# Allegro board 8880F5-0823_9.brd (continued)
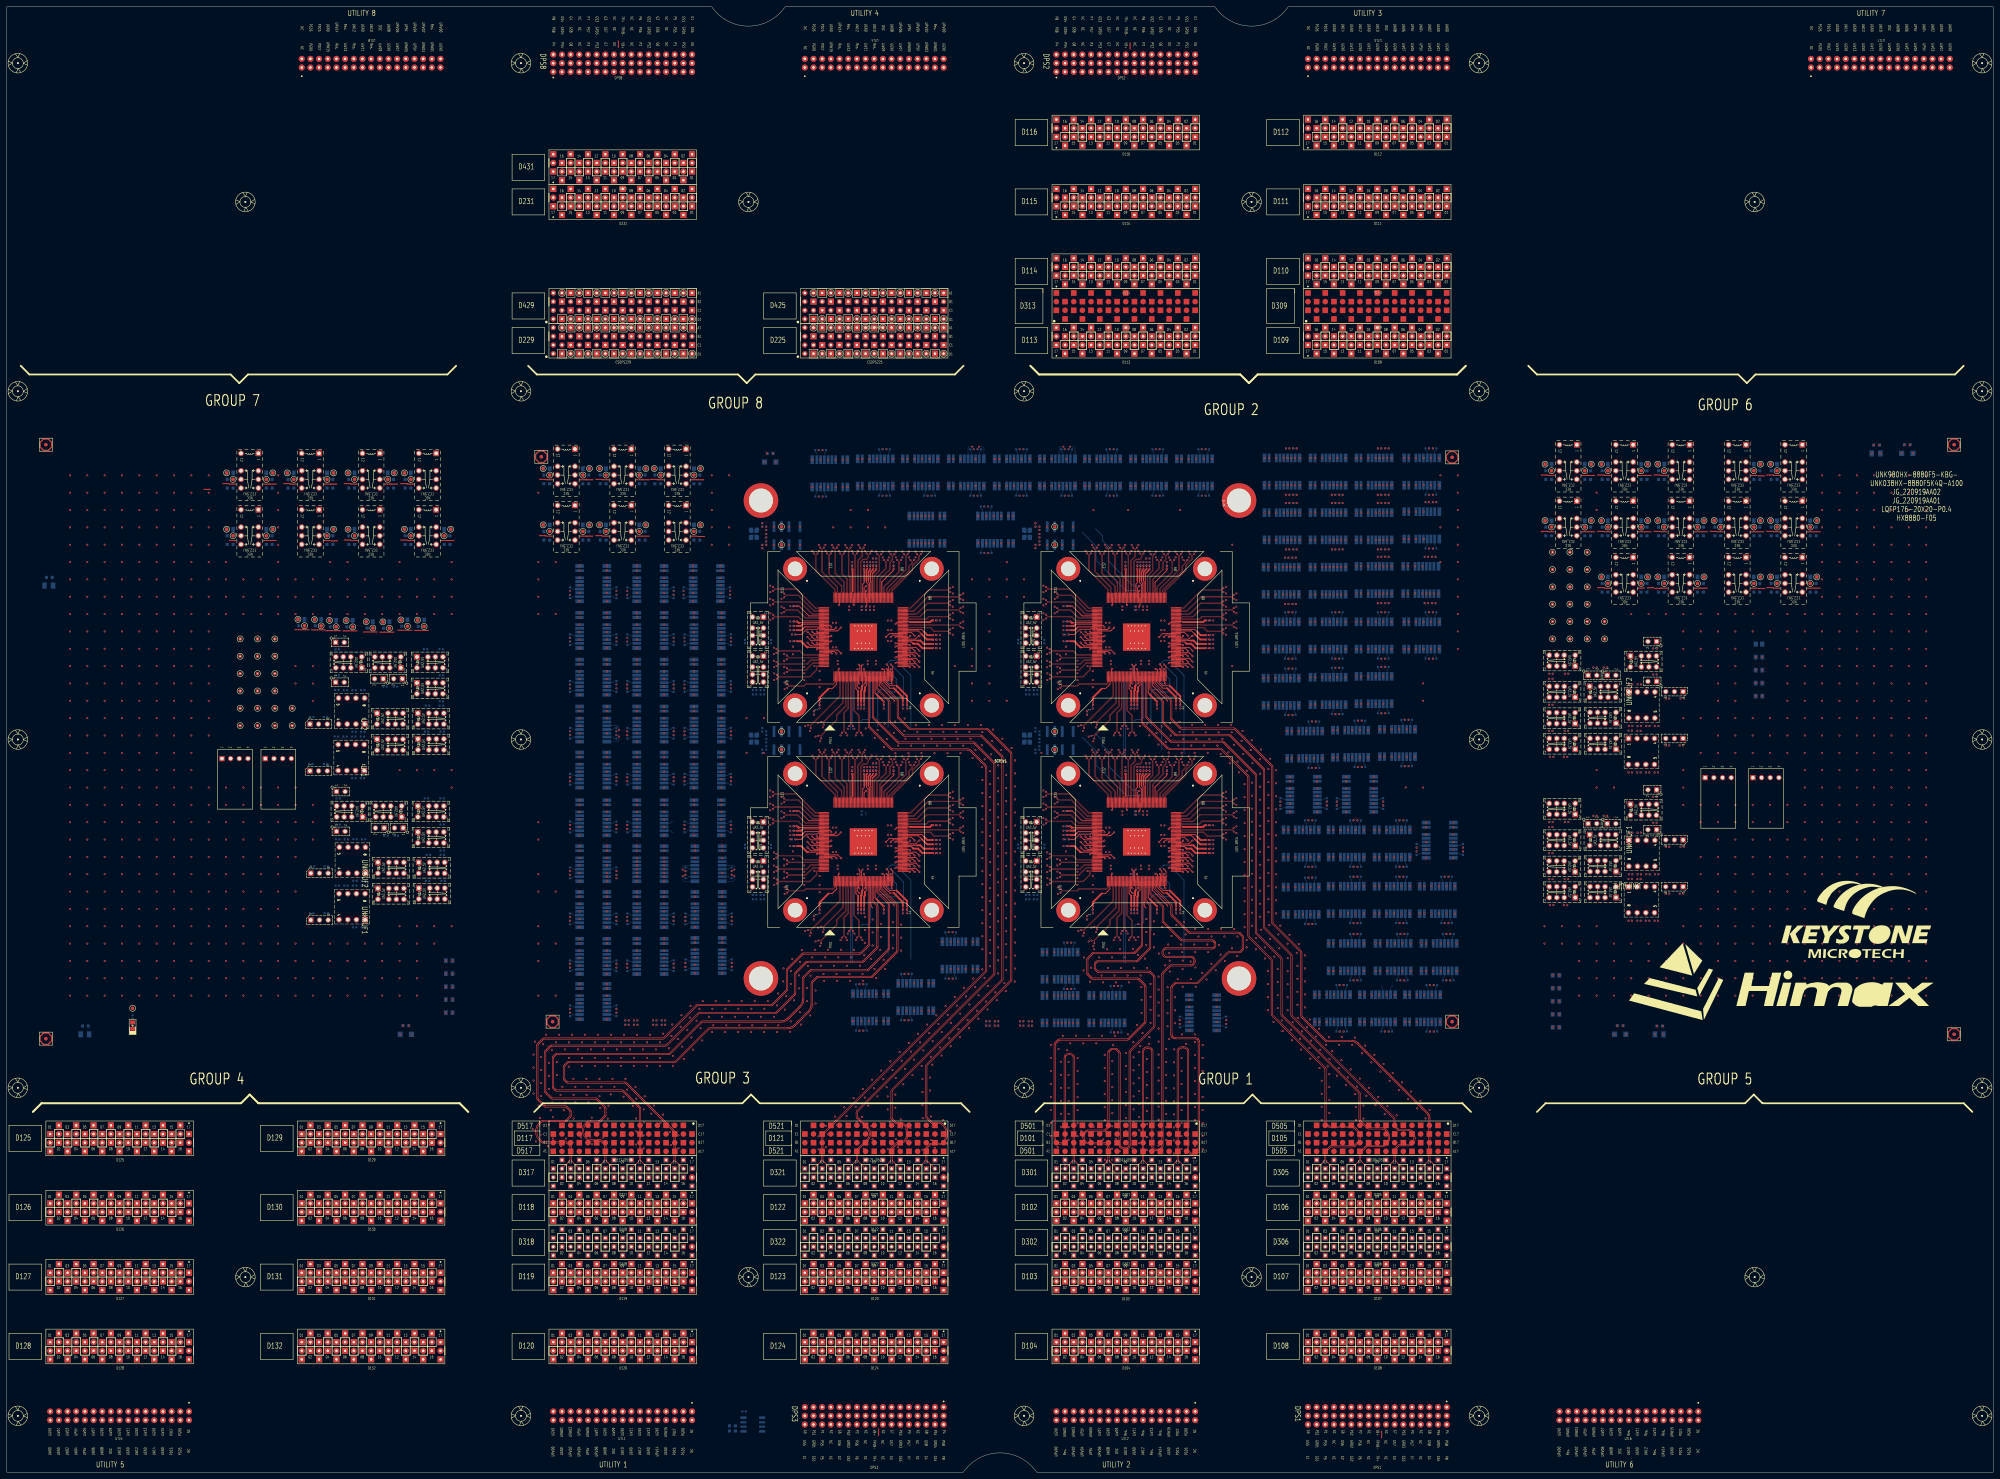
[diagram p0: board, top side]
## Routing (per net, layer and track width the routed paths; a pad name or vN(x,y) marks a point on that pad's centre or on a via; arc(x,y) is an arc through that point) (continued)
  L28_SIGNAL w0.071: v1(390.16,235.65) 389.69,235.18 389.69,233.97 388.21,232.49 388.21,219.12 388.81,218.52 391.12,218.52 392.27,219.66 392.27,221.1 395.58,224.41 404.27,224.41 407.15,221.52 407.15,206.24 408.71,204.68 418.95,204.68 422.83,208.57 422.83,233.64 426.21,237.02 444.82,237.02 448.37,233.47 448.37,206.58 444.39,202.6 401.84,202.6 400.84,201.61 379.9,201.61 376.79,204.72 376.79,214.1 375.04,215.85 342.11,215.85 341.05,216.91 337.89,216.91 334.95,219.86 327.93,219.86 327.33,219.25 327.33,219.02 v1(327.8,218.55)
D10910: length 413.5
  TOP w0.086: v1(308.51,229.79) 308.97,230.25 313.52,230.25 314.03,230.76 322.13,230.76 322.55,231.18 322.55,231.4 322.63,231.48 SITE2.2
  L03_SIGNAL w0.071: D109.10 396.75,328.17 396.75,323.17 428.31,291.6 428.31,264.18 430.22,262.28 432.66,262.28 434.14,263.76 434.14,282.24 437.37,285.47 441.52,285.47 444.19,282.8 444.19,227.73 440.32,223.87 427.26,223.87 423.54,227.59 423.54,239.25 419.54,243.25 399.38,243.25 397.48,241.35 397.48,224.06 396.3,222.88 396.3,220.63 v1(396.77,220.15)
  L28_SIGNAL w0.071: v1(396.77,220.15) 396.3,219.68 396.3,218.37 398.34,216.33 398.34,214.26 400.79,211.81 401.84,211.81 402.84,210.8 402.84,207.43 398.37,202.95 381.3,202.95 379.03,205.22 379.03,221.22 377.84,222.41 360.54,222.41 356.29,218.16 343.79,218.16 338.56,223.39 338.56,225.12 335.32,228.35 317.77,228.35 315.86,230.26 308.98,230.26 v1(308.51,229.79)
D10911: length 457
  TOP w0.086: SITE2.13 327.03,231.48 327.11,231.4 327.11,219 v1(326.65,218.55)
  L03_SIGNAL w0.071: D109.11 397.78,334.28 399.1,334.28 399.32,334.5 399.32,338.34 395.76,341.9 375.99,341.9 373.37,339.27 373.37,320.59 384.37,309.59 384.37,237.56 387.62,234.31 389.22,234.31 389.49,234.59 389.49,235.18 v1(389.02,235.65)
  L28_SIGNAL w0.071: v1(389.02,235.65) 389.49,235.18 389.49,234.05 388.01,232.57 388.01,219.03 388.73,218.32 391.2,218.32 392.46,219.58 392.46,221.01 395.66,224.21 404.18,224.21 406.95,221.44 406.95,206.16 408.62,204.49 419.03,204.49 423.03,208.49 423.03,233.56 426.29,236.82 444.74,236.82 448.17,233.38 448.17,206.66 444.31,202.8 401.75,202.8 400.76,201.8 379.99,201.8 376.99,204.8 376.99,214.18 375.12,216.05 342.2,216.05 341.14,217.11 337.98,217.11 335.03,220.06 327.85,220.06 327.13,219.33 327.13,219.02 v1(326.65,218.55)
D10912: length 413.5
  TOP w0.086: SITE2.1 322.23,231.48 322.31,231.4 322.31,231.28 322.03,231 313.93,231 313.42,230.49 308.95,230.49 v1(308.51,230.93)
  L03_SIGNAL w0.071: D109.12 395.01,328.89 395.67,328.89 396.55,328.01 396.55,323.08 428.12,291.52 428.12,264.1 430.13,262.08 432.74,262.08 434.34,263.68 434.34,282.16 437.46,285.27 441.43,285.27 443.99,282.72 443.99,227.82 440.24,224.07 427.34,224.07 423.74,227.67 423.74,239.33 419.62,243.45 399.3,243.45 397.28,241.43 397.28,224.14 396.1,222.96 396.1,220.63 v1(395.62,220.15)
  L28_SIGNAL w0.071: v1(395.62,220.15) 396.1,219.68 396.1,218.29 398.14,216.25 398.14,214.18 400.71,211.61 401.75,211.61 402.65,210.72 402.65,207.51 398.29,203.15 381.38,203.15 379.23,205.3 379.23,221.31 377.92,222.61 360.46,222.61 356.2,218.36 343.87,218.36 338.75,223.48 338.75,225.2 335.4,228.55 317.85,228.55 315.94,230.46 308.98,230.46 v1(308.51,230.93)
D10913: length 457
  TOP w0.086: SITE2.10 325.83,231.48 325.75,231.4 325.75,224.32 323.1,221.66 323.1,220.24 318.42,215.56 v1(318.42,214.92)
  L03_SIGNAL w0.071: D109.13 390.17,333.73 390.17,337.41 386.47,341.12 377.86,341.12 375.56,338.82 375.56,321.68 392.92,304.32 392.92,256.83 392.19,256.1 387.68,256.1 386.71,255.13 386.71,250.95 387.53,250.14 389.18,250.14 389.69,250.65 389.69,251.43 v1(390.16,251.9)
  L28_SIGNAL w0.071: v1(318.42,214.92) 317.75,214.92 316.86,214.03 307.22,214.03 296.75,224.5 296.75,236.72 295.8,237.67 294.73,237.67 294.08,237.02 294.08,223.8 293.48,223.21 290.74,223.21 289.94,224.01 289.94,263.01 289.12,263.83 287.11,263.83 286.35,263.08 286.35,224.01 285.62,223.27 284.2,223.27 283.53,223.94 283.53,263.75 287.74,267.97 299.65,267.97 310.89,256.72 348.37,256.72 356.03,249.06 357.88,249.06 359.24,250.42 364.11,250.42 366.91,247.62 382.5,247.62 386.39,251.51 386.39,252.87 387.55,254.02 389.11,254.02 389.69,253.44 389.69,252.38 v1(390.16,251.9)
D10914: length 457
  TOP w0.086: SITE2.12 326.63,231.48 326.55,231.4 326.55,223.72 325.23,222.4 325.23,217.05 v1(325.68,216.6)
  L03_SIGNAL w0.071: D109.14 387.32,328.9 386.5,328.9 385.15,327.55 385.15,321.84 394.57,312.41 394.57,245.05 389.69,240.16 389.69,238.79 v1(390.16,238.32)
  L28_SIGNAL w0.071: v1(390.16,238.32) 389.69,238.79 389.69,239.67 390.34,240.32 393.57,240.32 394.66,239.22 394.66,235.96 398.72,231.9 412.64,231.9 418.51,237.77 418.51,248.99 426.05,256.52 474.56,256.52 484.46,246.62 484.46,202.44 483.31,201.28 478.97,201.28 476.97,199.28 375.44,199.28 372.88,201.84 372.88,208.66 371.17,210.37 364.34,210.37 362.77,211.95 333.24,211.95 332.06,213.14 327.27,213.14 325.21,215.2 325.21,216.12 v1(325.68,216.6)
D10915: length 457
  TOP w0.086: SITE2.9 325.43,231.48 325.51,231.4 325.51,224.41 322.86,221.76 322.86,220.34 318.25,215.73 v1(317.61,215.73)
  L03_SIGNAL w0.071: v1(389.02,251.9) 389.49,251.43 389.49,250.73 389.1,250.33 387.61,250.33 386.91,251.04 386.91,255.05 387.76,255.9 392.28,255.9 393.12,256.74 393.12,304.4 375.76,321.76 375.76,338.74 377.94,340.92 386.39,340.92 389.97,337.33 389.97,334.16 389.65,333.83 387.17,333.83 D109.15
  L28_SIGNAL w0.071: v1(317.61,215.73) 317.61,215.06 316.78,214.23 307.3,214.23 296.95,224.58 296.95,236.8 295.88,237.86 294.65,237.86 293.88,237.1 293.88,223.88 293.4,223.4 290.83,223.4 290.13,224.09 290.13,263.09 289.2,264.03 287.02,264.03 286.16,263.16 286.16,224.09 285.54,223.47 284.28,223.47 283.73,224.02 283.73,263.67 287.82,267.77 299.56,267.77 310.81,256.52 348.28,256.52 355.95,248.86 357.96,248.86 359.32,250.22 364.03,250.22 366.83,247.42 382.58,247.42 386.59,251.43 386.59,252.79 387.63,253.82 389.03,253.82 389.49,253.36 389.49,252.38 v1(389.02,251.9)
D10916: length 457
  TOP w0.086: SITE2.11 326.23,231.48 326.31,231.4 326.31,223.82 324.99,222.5 324.99,217.05 v1(324.54,216.6)
  L03_SIGNAL w0.071: v1(389.02,238.32) 389.49,238.79 389.49,240.25 394.38,245.13 394.38,312.33 384.95,321.75 384.95,328.79 D109.16
  L28_SIGNAL w0.071: v1(324.54,216.6) 325.01,216.12 325.01,215.12 327.19,212.94 331.97,212.94 333.16,211.75 362.68,211.75 364.26,210.17 371.08,210.17 372.68,208.58 372.68,201.75 375.35,199.08 477.05,199.08 479.05,201.08 483.39,201.08 484.66,202.35 484.66,246.7 474.64,256.72 425.96,256.72 418.31,249.07 418.31,237.85 412.56,232.1 398.8,232.1 394.86,236.04 394.86,239.3 393.65,240.51 390.26,240.51 389.49,239.75 389.49,238.79 v1(389.02,238.32)
D11001: length 833.7
  TOP w0.086: v1(359.29,255.88) 358.81,256.36 349.82,256.36 345.58,252.11 344.06,252.11 343.98,252.03 SITE2.85
  L07_SIGNAL w0.071: D110.01 420.46,354.24 418.68,354.24 418.52,354.4 418.52,357.65 419.51,358.65 421.57,358.65 427.34,352.88 427.34,329.96 411.18,313.81 411.18,248.14 402.95,239.91 402.95,238.79 v1(402.48,238.32)
  L30_SIGNAL w0.071: v1(359.29,255.88) 358.82,256.35 355.87,256.35 354.16,254.64 354.16,241.87 361.51,234.52 447.48,234.52 450.75,237.79 556.55,237.79 570.21,251.45 570.21,375.43 569.61,376.03 567.88,376.03 567.13,375.27 567.13,249.7 556.97,239.54 485.76,239.54 484.79,240.51 450.98,240.51 445.39,234.91 405.47,234.91 402.95,237.43 402.95,237.84 v1(402.48,238.32)
D11002: length 201.8
  TOP w0.086: SITE2.93 337.83,257.78 337.75,257.86 337.75,258.68 343.34,264.27 343.34,268.49 v1(343.79,268.93)
  L07_SIGNAL w0.071: D110.02 416.65,348.07 416.65,346.4 417.73,345.32 417.73,328.1 408.3,318.66 408.3,253.8 407.07,252.58 404.18,252.58 402.95,253.8 402.95,254.1 v1(402.48,254.57)
  L32_SIGNAL w0.071: v1(402.48,254.57) 402.95,254.1 402.95,253.32 402.31,252.68 381.51,252.68 380.07,254.12 380.07,258.51 377.03,261.55 356.58,261.55 354.26,259.23 345.64,259.23 343.31,261.56 343.31,268.46 v1(343.79,268.93)
D11003: length 833.7
  TOP w0.086: v1(359.29,257.02) 358.87,256.6 349.73,256.6 345.48,252.35 344.06,252.35 343.98,252.43 SITE2.86
  L07_SIGNAL w0.071: D110.03 418.32,354.82 418.32,357.74 419.43,358.84 421.65,358.84 427.53,352.96 427.53,329.88 411.38,313.72 411.38,248.06 403.15,239.83 403.15,238.79 v1(403.63,238.32)
  L30_SIGNAL w0.071: v1(359.29,257.02) 358.82,256.55 355.79,256.55 353.97,254.73 353.97,241.78 361.43,234.33 447.57,234.33 450.83,237.59 556.63,237.59 570.41,251.37 570.41,375.52 569.7,376.23 567.8,376.23 566.93,375.36 566.93,249.79 556.88,239.74 485.84,239.74 484.88,240.71 450.9,240.71 445.3,235.11 405.56,235.11 403.15,237.51 403.15,237.84 v1(403.63,238.32)
D11004: length 201.8
  TOP w0.086: v1(342.64,268.93) 343.1,268.47 343.1,264.37 337.51,258.78 337.51,257.86 337.43,257.78 SITE2.94
  L07_SIGNAL w0.071: D110.04 416.46,348.08 416.46,346.32 417.53,345.24 417.53,328.18 408.1,318.74 408.1,253.88 406.99,252.78 404.26,252.78 403.15,253.88 403.15,254.1 v1(403.63,254.57)
  L32_SIGNAL w0.071: v1(403.63,254.57) 403.15,254.1 403.15,253.23 402.4,252.48 381.43,252.48 379.87,254.04 379.87,258.43 376.94,261.35 356.66,261.35 354.34,259.03 345.56,259.03 343.12,261.48 343.12,268.46 v1(342.64,268.93)
D11005: length 833.7
  TOP w0.086: SITE2.83 343.98,251.23 344.06,251.31 346.53,251.31 349.61,254.39 355.8,254.39 v1(356.24,253.95)
  L07_SIGNAL w0.071: D110.05 408.64,355.9 408.64,359.07 403.22,364.49 382.71,364.49 376.45,358.24 376.45,327.2 397.16,306.5 397.16,257.31 401.33,253.13 402.67,253.13 402.95,252.84 402.95,252.37 402.95,252.37 v1(402.48,251.9)
  L30_SIGNAL w0.071: v1(402.48,251.9) 402.95,251.43 402.95,250.31 403.85,249.41 403.85,241.36 407.88,237.33 443.41,237.33 451.33,245.25 484.62,245.25 486.06,243.81 556.18,243.81 562.96,250.59 562.96,371.6 563.44,372.08 564.99,372.08 565.36,371.72 565.36,250.65 556.77,242.06 450.7,242.06 444.95,236.31 407.53,236.31 404.67,239.17 400.92,239.17 398.24,236.49 363.88,236.49 355.12,245.25 355.12,254.06 355.47,254.42 355.77,254.42 v1(356.24,253.95)
D11006: length 170.5
  TOP w0.086: v1(345.72,267.21) 345.28,266.78 345.28,266.31 344.35,265.37 344.35,264.04 338.55,258.23 338.55,257.86 338.63,257.78 SITE2.91
  L07_SIGNAL w0.071: D110.06 406.48,348.06 406.48,346.83 407.5,345.81 407.5,268.34 405.48,266.31 403.5,266.31 402.95,266.86 402.95,267.69 v1(402.48,268.16)
  L32_SIGNAL w0.071: v1(402.48,268.16) 402.95,268.63 402.95,268.91 402.78,269.09 400.26,269.09 397.07,265.9 386.11,265.9 381.04,270.97 346,270.97 345.24,270.21 345.24,267.69 v1(345.72,267.21)
D11007: length 833.7
  TOP w0.086: v1(356.24,255.09) 355.78,254.63 349.51,254.63 346.43,251.55 344.06,251.55 343.98,251.63 SITE2.84
  L07_SIGNAL w0.071: D110.07 408.44,355.1 408.44,358.99 403.13,364.29 382.79,364.29 376.65,358.15 376.65,327.28 397.36,306.58 397.36,257.39 401.42,253.33 402.75,253.33 403.15,252.92 403.15,252.37 403.16,252.37 v1(403.63,251.9)
  L30_SIGNAL w0.071: v1(356.24,255.09) 355.77,254.62 355.39,254.62 354.92,254.14 354.92,245.17 363.8,236.29 398.33,236.29 401,238.97 404.59,238.97 407.44,236.12 445.04,236.12 450.78,241.86 556.85,241.86 565.56,250.56 565.56,371.8 565.07,372.28 563.36,372.28 562.76,371.69 562.76,250.68 556.1,244.01 486.14,244.01 484.7,245.45 451.25,245.45 443.33,237.53 407.96,237.53 404.05,241.44 404.05,249.5 403.15,250.39 403.15,251.43 v1(403.63,251.9)
D11008: length 170.5
  TOP w0.086: SITE2.92 338.23,257.78 338.31,257.86 338.31,258.33 344.11,264.13 344.11,265.47 345.04,266.4 345.04,266.74 v1(344.57,267.21)
  L07_SIGNAL w0.071: D110.08 406.28,348.1 406.28,346.75 407.3,345.73 407.3,268.42 405.39,266.51 403.58,266.51 403.15,266.94 403.15,267.69 v1(403.63,268.16)
  L32_SIGNAL w0.071: v1(344.57,267.21) 345.04,267.69 345.04,270.3 345.92,271.17 381.12,271.17 386.19,266.1 396.99,266.1 400.18,269.28 402.86,269.28 403.15,268.99 403.15,268.63 v1(403.63,268.16)
D11009: length 215.1
  TOP w0.086: v1(339.93,268.93) 339.46,268.47 339.46,267.3 338.7,266.53 338.7,264.43 335.75,261.48 335.75,257.86 335.83,257.78 SITE2.98
  L05_SIGNAL w0.071: v1(402.48,270.32) 402.95,270.79 402.95,271.71 402.37,272.3 400.54,272.3 397.87,274.96 397.87,307.62 377.85,327.64 377.85,356.97 382.74,361.85 394.89,361.85 398.92,357.82 398.92,355.46 D110.09
  L32_SIGNAL w0.071: v1(339.93,268.93) 339.45,269.4 339.45,271.76 340.65,272.96 366.4,272.96 367.14,272.22 383.39,272.22 386.2,269.41 395,269.41 397.98,272.39 402.45,272.39 402.95,271.88 402.95,270.79 v1(402.48,270.32)
D11010: length 184.2
  TOP w0.086: SITE2.95 337.03,257.78 336.95,257.86 336.95,259.28 341.41,263.74 341.41,266.77 v1(341.86,267.21)
  L07_SIGNAL w0.071: v1(402.48,283.91) 402.95,283.44 402.95,282.76 403.87,281.84 406.05,281.84 406.42,282.21 406.42,317.06 397.47,326.02 397.47,346.26 396.33,347.39 396.33,348.07 D110.10
  L32_SIGNAL w0.071: v1(402.48,283.91) 402.95,284.38 402.95,285.04 403.21,285.29 406.19,285.29 407.18,284.31 407.18,270.55 406.19,269.57 397.32,269.57 396.65,268.89 384.63,268.89 381.81,271.72 366.74,271.72 366.18,272.28 342.6,272.28 341.38,271.07 341.38,267.69 v1(341.86,267.21)
D11011: length 215.1
  TOP w0.086: SITE2.99 335.43,257.78 335.51,257.86 335.51,261.58 338.46,264.53 338.46,266.63 339.22,267.39 339.22,268.49 v1(338.78,268.93)
  L05_SIGNAL w0.071: v1(403.63,270.32) 403.15,270.79 403.15,271.79 402.45,272.49 400.62,272.49 398.07,275.05 398.07,307.71 378.05,327.72 378.05,356.89 382.82,361.65 394.81,361.65 398.73,357.74 398.73,355.55 D110.11
  L32_SIGNAL w0.071: v1(403.63,270.32) 403.15,270.79 403.15,271.96 402.53,272.59 397.9,272.59 394.92,269.61 386.29,269.61 383.48,272.42 367.22,272.42 366.48,273.15 340.57,273.15 339.26,271.84 339.26,269.4 v1(338.78,268.93)
D11012: length 182.9
  TOP w0.086: v1(340.71,267.21) 341.17,266.75 341.17,263.84 336.71,259.38 336.71,257.86 336.63,257.78 SITE2.96
  L07_SIGNAL w0.071: D110.12 396.13,348.09 396.13,347.31 397.27,346.18 397.27,325.93 406.22,316.98 406.22,282.29 405.97,282.04 403.96,282.04 403.15,282.84 403.15,283.44 v1(403.63,283.91)
  L32_SIGNAL w0.071: v1(340.71,267.21) 341.19,267.69 341.19,271.15 342.52,272.48 366.26,272.48 366.83,271.92 381.89,271.92 384.72,269.09 396.56,269.09 397.24,269.77 406.11,269.77 406.98,270.64 406.98,284.23 406.11,285.09 403.29,285.09 403.15,284.96 403.15,284.38 v1(403.63,283.91)
D11013: length 272.5
  TOP w0.086: v1(304.31,259.31) 304.75,258.87 311.22,258.87 316.94,253.15 317.6,253.15 317.68,253.23 SITE2.133
  L07_SIGNAL w0.071: v1(402.48,286.32) 402.95,286.79 402.95,288.02 402.75,288.22 400.29,288.22 399.6,288.9 399.6,308.25 379.27,328.58 379.27,355.71 381.45,357.88 387.67,357.88 388.74,356.81 388.74,355.48 D110.13
  L32_SIGNAL w0.071: v1(402.48,286.32) 402.95,286.79 402.95,288.13 403.4,288.57 406.37,288.57 408.24,290.45 408.24,301.49 402.53,307.2 368.91,307.2 363.76,302.05 363.76,296.36 345.5,278.1 312.48,278.1 301.98,267.6 301.98,259.59 302.73,258.84 303.83,258.84 v1(304.31,259.31)
D11014: length 194.4
  TOP w0.086: v1(317.43,269.15) 316.97,268.69 316.97,264.24 322.55,258.66 322.55,257.86 322.63,257.78 SITE2.131
  L07_SIGNAL w0.071: D110.14 386.18,348.08 386.18,347.38 390.01,343.55 390.01,328.86 400.51,318.36 400.51,299.22 401.24,298.49 402.25,298.49 402.95,299.19 402.95,299.44 v1(402.48,299.91)
  L32_SIGNAL w0.071: v1(402.48,299.91) 402.95,300.38 402.95,301.1 401.84,302.21 369.88,302.21 369.01,301.35 369.01,280.51 364.67,276.16 319.35,276.16 316.95,273.76 316.95,269.62 v1(317.43,269.15)
D11015: length 272.9
  TOP w0.086: SITE2.134 317.68,252.83 317.6,252.91 316.84,252.91 311.12,258.63 304.77,258.63 v1(304.31,258.17)
  L07_SIGNAL w0.071: v1(403.63,286.32) 403.15,286.79 403.15,288.1 402.83,288.42 400.37,288.42 399.8,288.99 399.8,308.33 379.47,328.66 379.47,355.62 381.53,357.69 387.58,357.69 388.54,356.73 388.54,355.52 D110.15
  L32_SIGNAL w0.071: v1(304.31,258.17) 303.83,258.64 302.65,258.64 301.78,259.51 301.78,267.68 312.39,278.3 345.42,278.3 363.57,296.44 363.57,302.13 368.83,307.4 402.62,307.4 408.44,301.57 408.44,290.37 406.45,288.38 403.48,288.38 403.15,288.05 403.15,286.79 v1(403.63,286.32)
D11016: length 195.7
  TOP w0.086: SITE2.132 322.23,257.78 322.31,257.86 322.31,258.56 316.73,264.14 316.73,268.71 v1(316.28,269.15)
  L07_SIGNAL w0.071: D110.16 385.98,348.08 385.98,347.29 389.81,343.47 389.81,328.77 400.31,318.27 400.31,299.14 401.15,298.29 402.34,298.29 403.15,299.11 403.15,299.44 v1(403.63,299.91)
  L32_SIGNAL w0.071: v1(316.28,269.15) 316.75,269.62 316.75,273.84 319.27,276.36 364.58,276.36 368.81,280.59 368.81,301.43 369.8,302.41 401.92,302.41 403.15,301.18 403.15,300.38 v1(403.63,299.91)
D11101: length 833.7
  TOP w0.086: SITE2.75 343.98,248.03 344.06,248.11 358.84,248.11 v1(359.29,247.66)
  L07_SIGNAL w0.071: D111.01 419.74,375.28 419.15,375.28 418.42,376.01 418.42,378.14 419.69,379.41 426.1,379.41 442.8,362.71 442.8,298.71 431.96,287.87 417.35,287.87 416.92,287.45 416.92,286.79 v1(416.45,286.32)
  L30_SIGNAL w0.071: v1(416.45,286.32) 416.93,286.8 416.93,287.18 416.08,288.02 416.08,294.44 418.69,297.05 418.69,300.03 417.91,300.81 413.78,300.81 411.82,298.85 411.82,254.33 415.38,250.77 426.06,250.77 442.15,266.86 442.15,340.06 452.66,350.57 477.43,350.57 477.98,351.12 477.98,352.4 477.4,352.98 457.53,352.98 457,353.51 457,354.91 457.81,355.73 547.17,355.73 558.47,344.43 558.47,301.04 556.14,298.71 556.14,254.4 550.92,249.18 470.25,249.18 468.89,250.55 451.12,250.55 442.71,242.14 409.35,242.14 408.07,243.41 408.07,252.3 405.18,255.19 395.96,255.19 394.31,256.84 394.31,264.86 391.81,267.37 382.21,267.37 381.08,266.24 381.08,250.42 378.79,248.13 359.76,248.13 v1(359.29,247.66)
D11102: length 690.3
  L07_SIGNAL w0.071: D111.02 417.58,369.32 417.58,366.3 440.71,343.16 440.71,315.05 423.3,297.64 418.1,297.64 416.92,298.81 416.92,299.44 v1(416.45,299.91)
  L30_SIGNAL w0.071: v1(416.45,299.91) 416.92,299.44 416.92,298.08 413.88,295.03 413.88,273.24 412.89,272.26 412.89,254.31 414.64,252.57 424.81,252.57 440.69,268.45 440.69,340.92 456.86,357.09 547.34,357.09 559.27,345.16 559.27,297.74 558.49,296.97 558.49,255.62 550.83,247.95 450.26,247.95 442.37,240.07 409.18,240.07 407.65,241.6 407.65,250.94 404.94,253.65 395.71,253.65 393.54,255.81 393.54,264.83 391.43,266.95 385.23,266.95 383.77,265.49 383.77,262.03 384.28,261.52 388.42,261.52 388.49,261.45 v1(388.49,257.11)
D11103: length 833.7
  TOP w0.086: v1(359.29,248.8) 358.84,248.35 344.06,248.35 343.98,248.43 SITE2.76
  L07_SIGNAL w0.071: D111.03 418.23,375.05 418.23,378.22 419.61,379.61 426.19,379.61 443,362.79 443,298.63 432.04,287.68 417.43,287.68 417.12,287.36 417.12,286.79 v1(417.6,286.32)
  L30_SIGNAL w0.071: v1(417.6,286.32) 417.13,286.79 417.13,287.26 416.28,288.11 416.28,294.36 418.89,296.97 418.89,300.12 417.99,301.01 413.7,301.01 411.62,298.93 411.62,254.25 415.3,250.58 426.15,250.58 442.35,266.78 442.35,339.98 452.74,350.37 477.51,350.37 478.18,351.03 478.18,352.48 477.48,353.18 457.61,353.18 457.19,353.6 457.19,354.83 457.9,355.53 547.09,355.53 558.27,344.34 558.27,301.12 555.94,298.79 555.94,254.48 550.84,249.38 470.33,249.38 468.97,250.74 451.04,250.74 442.63,242.33 409.43,242.33 408.27,243.5 408.27,252.38 405.26,255.39 396.04,255.39 394.51,256.92 394.51,264.94 391.89,267.56 382.12,267.56 380.88,266.32 380.88,250.5 378.7,248.33 359.76,248.33 v1(359.29,248.8)
D11104: length 690.3
  L07_SIGNAL w0.071: D111.04 414.94,369.92 417.05,369.92 417.38,369.59 417.38,366.22 440.51,343.08 440.51,315.14 423.21,297.84 418.18,297.84 417.12,298.89 417.12,299.44 v1(417.6,299.91)
  L30_SIGNAL w0.071: v1(388.49,265.11) 388.49,261.79 388.42,261.72 384.36,261.72 383.97,262.11 383.97,265.41 385.31,266.75 391.34,266.75 393.34,264.75 393.34,255.73 395.62,253.45 404.86,253.45 407.45,250.86 407.45,241.52 409.1,239.87 442.45,239.87 450.34,247.76 550.91,247.76 558.69,255.54 558.69,296.89 559.46,297.66 559.46,345.24 547.42,357.29 456.78,357.29 440.49,341 440.49,268.54 424.73,252.77 414.72,252.77 413.09,254.4 413.09,272.18 414.07,273.16 414.07,294.95 417.12,298 417.12,299.44 v1(417.6,299.91)
D11105: length 833.7
  TOP w0.086: v1(356.24,250.09) 355.8,250.53 350.02,250.53 349.2,249.71 344.06,249.71 343.98,249.63 SITE2.79
  L07_SIGNAL w0.071: D111.05 409.35,375.51 409.35,378.73 413,382.38 427.57,382.38 444.63,365.32 444.63,297.9 432.2,285.47 417.39,285.47 416.92,285.01 416.92,284.63 v1(416.45,284.16)
  L30_SIGNAL w0.071: v1(416.45,284.16) 416.92,284.63 416.92,285.2 417.3,285.57 419.17,285.57 420.13,284.6 420.13,280.43 418.3,278.59 418.3,275.54 413.79,271.02 413.79,254.8 415.08,253.51 420.2,253.51 437.4,270.71 437.4,371 449.59,383.18 551.02,383.18 560.75,373.45 560.75,251.75 553.78,244.78 487.97,244.78 486.5,246.25 450.86,246.25 443.57,238.96 408.84,238.96 406.14,241.66 406.14,250.84 404.25,252.73 401.64,252.73 400.33,251.42 400.33,240.42 397.03,237.12 364.37,237.12 358.26,243.23 358.26,249.56 357.26,250.56 356.72,250.56 v1(356.24,250.09)
D11106: length 833.7
  TOP w0.086: v1(328.93,269.15) 328.55,268.77 328.55,257.86 328.63,257.78 SITE2.116
  L07_SIGNAL w0.071: v1(416.2,268.16) 416.67,267.69 416.67,267.17 415.93,266.43 414.63,266.43 413.99,267.07 413.99,312.11 429.76,327.88 429.76,352.53 418.1,364.2 407.25,364.2 405.94,365.5 405.94,369.38 406.24,369.68 407.78,369.68 D111.06
  L30_SIGNAL w0.071: v1(328.93,269.15) 328.46,269.62 328.46,278.82 329.59,279.95 329.59,284.83 328.18,286.24 328.18,304.92 313.73,319.36 313.73,362.4 304.34,371.79 279.39,371.79 273.87,366.27 230.54,366.27 229.99,365.72 229.99,364.68 230.63,364.05 269.63,364.05 270.28,363.4 270.28,362.68 269.12,361.52 216.27,361.52 210.53,367.27 210.53,398.59 214.24,402.31 367.59,402.31 372.07,397.82 372.07,299.49 373.58,297.99 385.24,297.99 389.65,302.4 423.31,302.4 427.99,297.73 427.99,277.1 420.89,270.01 417.12,270.01 416.67,269.56 416.67,268.63 v1(416.2,268.16)
D11107: length 833.7
  TOP w0.086: v1(356.24,251.23) 355.78,250.77 349.92,250.77 349.1,249.95 344.06,249.95 343.98,250.03 SITE2.80
  L07_SIGNAL w0.071: D111.07 407.88,374.86 407.99,374.86 409.15,376.03 409.15,378.82 412.91,382.58 427.65,382.58 444.83,365.4 444.83,297.82 432.29,285.27 417.47,285.27 417.12,284.92 417.12,284.63 v1(417.6,284.16)
  L30_SIGNAL w0.071: v1(417.6,284.16) 417.12,284.64 417.12,285.12 417.38,285.37 419.08,285.37 419.93,284.52 419.93,280.51 418.1,278.68 418.1,275.62 413.59,271.11 413.59,254.72 415,253.31 420.28,253.31 437.6,270.63 437.6,370.92 449.67,382.99 550.94,382.99 560.55,373.37 560.55,251.84 553.69,244.98 488.05,244.98 486.58,246.45 450.78,246.45 443.49,239.16 408.93,239.16 406.34,241.74 406.34,250.92 404.33,252.93 401.56,252.93 400.13,251.5 400.13,240.5 396.95,237.32 364.46,237.32 358.46,243.31 358.46,249.64 357.34,250.76 356.72,250.76 v1(356.24,251.23)
D11108: length 833.7
  TOP w0.086: SITE2.117 328.23,257.78 328.31,257.86 328.31,268.63 v1(327.79,269.15)
  L07_SIGNAL w0.071: D111.08 405.75,368.95 405.75,368.85 405.75,365.42 407.17,364 418.02,364 429.56,352.45 429.56,327.96 413.79,312.19 413.79,266.99 414.55,266.23 416.01,266.23 416.87,267.09 416.87,267.69 v1(417.34,268.16)
  L30_SIGNAL w0.071: v1(417.34,268.16) 416.87,268.63 416.87,269.48 417.2,269.81 420.98,269.81 428.19,277.02 428.19,297.81 423.39,302.6 389.57,302.6 385.15,298.19 373.66,298.19 372.27,299.58 372.27,397.9 367.67,402.51 214.16,402.51 210.33,398.68 210.33,367.18 216.19,361.32 269.2,361.32 270.48,362.6 270.48,363.48 269.71,364.24 230.71,364.24 230.19,364.76 230.19,365.64 230.62,366.07 273.95,366.07 279.47,371.59 304.25,371.59 313.53,362.31 313.53,319.28 327.98,304.83 327.98,286.16 329.39,284.75 329.39,280.03 328.26,278.9 328.26,269.62 v1(327.79,269.15)
D11109: length 343.9
  TOP w0.086: v1(338,267.21) 337.55,266.76 337.55,264.67 334.95,262.07 334.95,257.86 335.03,257.78 SITE2.100
  L05_SIGNAL w0.071: v1(389.02,283.91) 389.49,284.38 389.49,284.63 390.59,285.73 391.88,285.73 393.3,287.15 393.3,305.83 373.21,325.92 373.21,376.03 377.95,380.77 396.15,380.77 398.86,378.06 398.86,375.84 D111.09
  L32_SIGNAL w0.071: v1(338,267.21) 337.53,266.74 337.53,264.24 336.26,262.97 320.43,262.97 314.95,268.46 314.95,273.47 318.65,277.17 363.57,277.17 367.03,280.62 367.03,302.08 369.35,304.4 404,304.4 406.96,301.44 406.96,295.52 404.38,292.94 387.04,292.94 386.34,292.25 386.34,283.28 387.45,282.17 388.8,282.17 389.48,282.85 389.48,283.45 v1(389.02,283.91)
D11111: length 342.6
  TOP w0.086: SITE2.101 334.63,257.78 334.71,257.86 334.71,262.17 337.31,264.77 337.31,266.76 v1(336.85,267.21)
  L05_SIGNAL w0.071: v1(390.16,283.91) 389.69,284.38 389.69,284.55 390.68,285.53 391.96,285.53 393.5,287.07 393.5,305.91 373.41,326 373.41,375.95 378.03,380.58 396.07,380.58 398.66,377.98 398.66,375.8 D111.11
  L32_SIGNAL w0.071: v1(336.85,267.21) 337.33,266.74 337.33,264.32 336.18,263.17 320.52,263.17 315.15,268.54 315.15,273.39 318.73,276.97 363.66,276.97 367.22,280.54 367.22,302 369.43,304.2 403.91,304.2 406.76,301.36 406.76,295.6 404.3,293.14 386.95,293.14 386.15,292.33 386.15,283.2 387.37,281.98 388.89,281.98 389.67,282.76 389.67,283.42 v1(390.16,283.91)
D11113: length 210.7
  TOP w0.086: SITE2.102 334.23,257.78 334.15,257.86 334.15,262.58 335.64,264.07 335.64,268.51 v1(336.07,268.93)
  L05_SIGNAL w0.071: v1(389.02,270.32) 389.49,270.79 389.49,271.16 391.29,272.96 391.29,282.51 394.2,285.43 394.2,307.39 374.81,326.78 374.81,375.09 378.65,378.92 387.05,378.92 388.71,377.26 388.71,375.83 D111.13
  L32_SIGNAL w0.071: v1(336.07,268.93) 335.6,269.4 335.6,272.83 336.71,273.94 385.33,273.94 386.97,272.31 389.03,272.31 389.49,271.84 389.49,270.79 v1(389.02,270.32)
